# Altium PCB DE842170047.PcbDoc (continued)
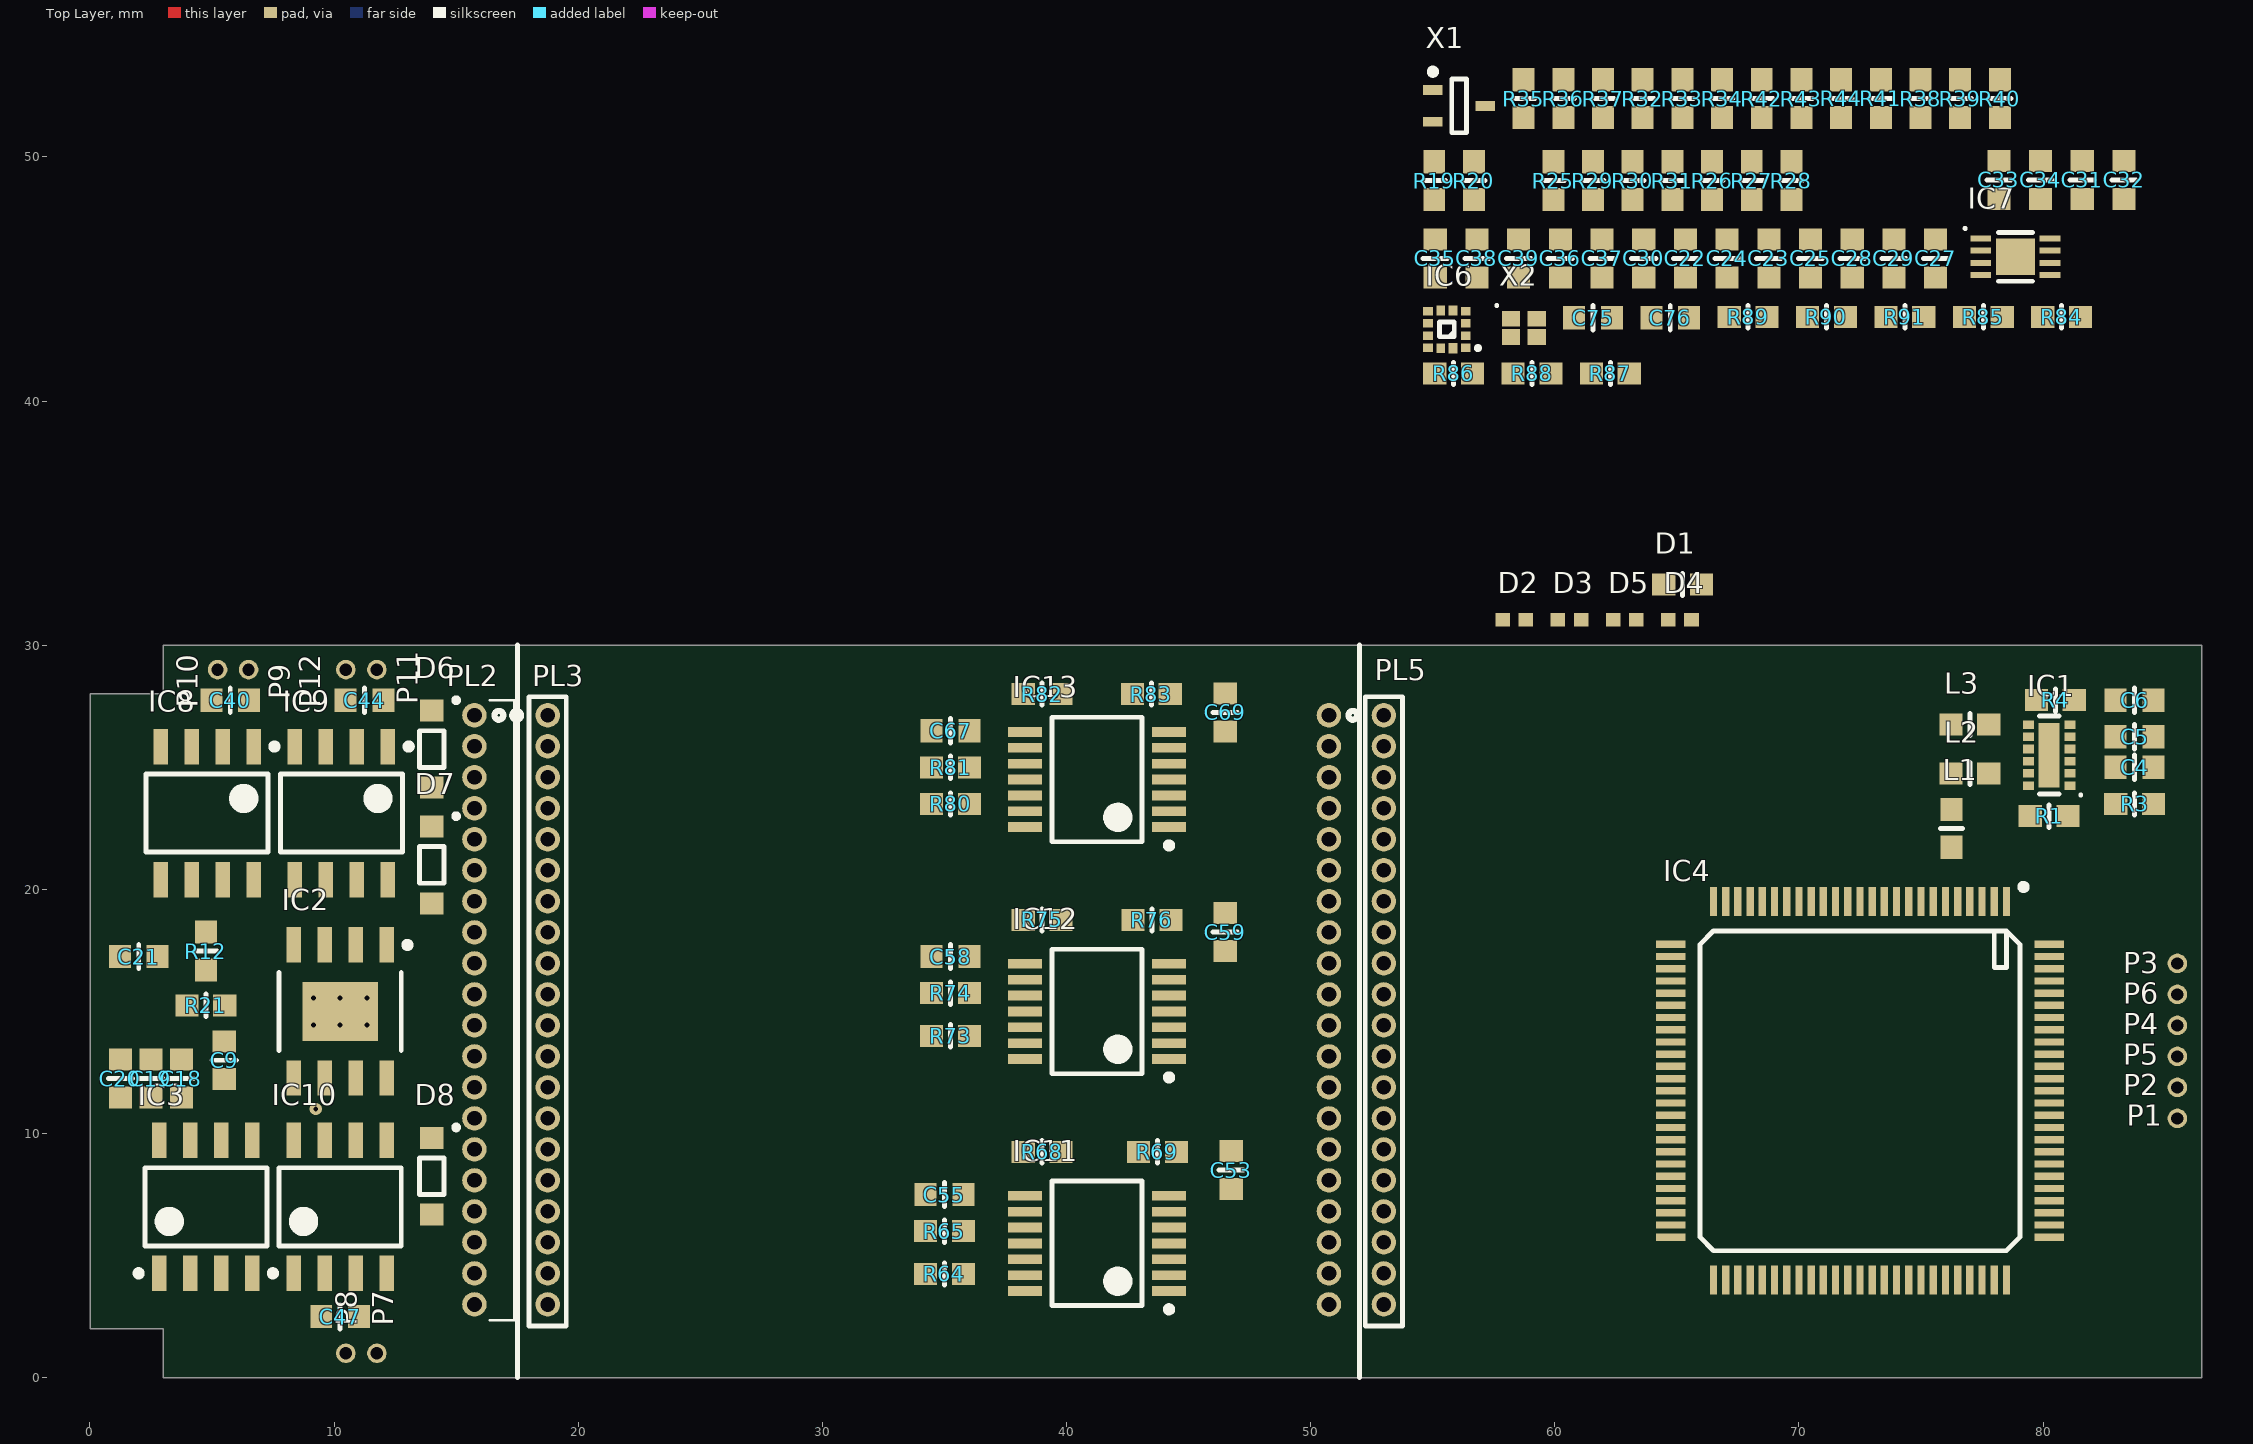
[diagram p0: Top Layer view]
## Components (designator, comment, footprint, x,y, rotation, side; value= is the part's Value field where it differs from the comment) (continued)
R24 "KK/96059/1369" R0603 2,18.75 r180 bottom value=51R
R25 "KK/96059/0000" R0603 59.94,49.032 r90 top value=0R0
R26 "KK/96059/0000" R0603 66.442,49.032 r90 top value=0R0
R27 "KK/96059/0000" R0603 68.068,49.032 r90 top value=0R0
R28 "KK/96059/0601" R0603 69.693,49.032 r90 top value=10K
R29 "KK/96059/0601" R0603 61.565,49.032 r90 top value=10K
R30 "KK/96059/0601" R0603 63.191,49.032 r90 top value=10K
R31 "KK/96059/0601" R0603 64.816,49.032 r90 top value=10K
R32 "KK/96059/1369" R0603 63.601,52.39 r90 top value=51R
R33 "KK/96059/1369" R0603 65.226,52.39 r90 top value=51R
R34 "KK/96059/0601" R0603 66.852,52.39 r90 top value=10K
R35 "KK/96059/0601" R0603 58.724,52.39 r90 top value=10K
R36 "KK/96059/0601" R0603 60.35,52.39 r90 top value=10K
R37 "KK/96059/0601" R0603 61.975,52.39 r90 top value=10K
R38 "KK/96059/1369" R0603 74.98,52.39 r90 top value=51R
R39 "KK/96059/1369" R0603 76.606,52.39 r90 top value=51R
R40 "KK/96059/0601" R0603 78.231,52.39 r90 top value=10K
R41 "KK/96059/0601" R0603 73.354,52.39 r90 top value=10K
R42 "KK/96059/0601" R0603 68.478,52.39 r90 top value=10K
R43 "KK/96059/0601" R0603 70.103,52.39 r90 top value=10K
R44 "KK/96059/0000" R0603 71.729,52.39 r90 top value=0R0
R45 "KK/96059/0000" R0603 6.8,20.9 r90 bottom value=0R0
R46 "KK/96059/0501" R0603 7.75,27 r270 bottom value=1K0
R47 "KK/96059/0501" R0603 4.25,26.975 r270 bottom value=1K0
R48 "KK/96059/0609" R0603 5.55,20.9 r270 bottom value=12K
R49 "KK/96059/0601" R0603 2.8,20.9 r270 bottom value=10K
R50 "KK/96059/0601" R0603 4.05,20.85 r270 bottom value=10K
R51 "KK/96059/0000" R0603 12.3,20.9 r90 bottom value=0R0
R52 "KK/96059/0501" R0603 12.75,27 r270 bottom value=1K0
R53 "KK/96059/0501" R0603 9.25,27 r270 bottom value=1K0
R54 "KK/96059/0647" R0603 11.05,20.875 r270 bottom value=30K
R55 "KK/96059/0601" R0603 8.3,20.875 r270 bottom value=10K
R56 "KK/96059/0601" R0603 9.8,20.875 r270 bottom value=10K
R57 "KK/96059/0000" R0603 8.25,9.25 r270 bottom value=0R0
R58 "KK/96059/0501" R0603 12,3.5 r90 bottom value=1K0
R59 "KK/96059/0501" R0603 9,3.475 r90 bottom value=1K0
R60 "KK/96059/4666" R0603 9.5,9.25 r270 bottom value=47K
R61 "KK/96059/0601" R0603 12.25,9.25 r90 bottom value=10K
R62 "KK/96059/0601" R0603 11,9.25 r90 bottom value=10K
R63 "KK/96059/0529" R0603 38.775,4.25 r180 bottom value=1K96
R64 "KK/96059/0507" R0603 35,4.25 r180 top value=1K15
R65 "KK/96059/0518" R0603 35,6 r0 top value=1K5
R66 "KK/96059/0519" R0603 43.775,3 r180 bottom value=1K56
R67 "KK/96059/0527" R0603 43.75,4.25 r0 bottom value=1K87
R68 "KK/96059/0478" R0603 39,9.25 r0 top value=634R
R69 "KK/96059/0485" R0603 43.725,9.25 r0 top value=750R
R70 "KK/96059/0519" R0603 43.75,13 r180 bottom value=1K56
R71 "KK/96059/0529" R0603 38.75,14 r180 bottom value=1K96
R72 "KK/96059/0527" R0603 43.775,14.25 r0 bottom value=1K87
R73 "KK/96059/0507" R0603 35.25,14 r180 top value=1K15
R74 "KK/96059/0518" R0603 35.25,15.75 r0 top value=1K5
R75 "KK/96059/0478" R0603 39,18.75 r0 top value=634R
R76 "KK/96059/0485" R0603 43.5,18.75 r0 top value=750R
R77 "KK/96059/0519" R0603 43.75,22.5 r180 bottom value=1K56
R78 "KK/96059/0529" R0603 38.725,23.5 r180 bottom value=1K96
R79 "KK/96059/0527" R0603 43.75,23.75 r0 bottom value=1K87
R80 "KK/96059/0507" R0603 35.25,23.5 r180 top value=1K15
R81 "KK/96059/0518" R0603 35.25,25 r0 top value=1K5
R82 "KK/96059/0478" R0603 39,28 r0 top value=634R
R83 "KK/96059/0485" R0603 43.475,28 r0 top value=750R
R84 "KK/96059/0601" R0603 80.762,43.453 r180 top value=10K
R85 "KK/96059/0601" R0603 77.551,43.453 r180 top value=10K
R86 "KK/96059/0601" R0603 55.856,41.131 r180 top value=10K
R87 "KK/96059/0601" R0603 62.278,41.131 r180 top value=10K
R88 "KK/96059/0601" R0603 59.067,41.131 r180 top value=10K
R89 "KK/96059/0601" R0603 67.917,43.453 r180 top value=10K
R90 "KK/96059/0601" R0603 71.128,43.453 r180 top value=10K
R91 "KK/96059/0601" R0603 74.34,43.453 r180 top value=10K
R92 "KK/96059/0601" R0603 83.75,24.75 r180 bottom value=10K
X1 "OSCILLATOR_3PIN" SC70-3 56.081,52.092 r0 top value=8MHz
X2 "KK/95710/0071" SMD_1.6X1.2 58.734,42.999 r0 top value=50MHz

## Footprints (in the part's own frame and the unit in brackets; to place one, negate y for a bottom-side part, rotate by r counter-clockwise, add the part's x,y. Pads: shape width x height; smd on the part's side, far side on the other; paste and mask are expansions set on the pad)
53307-1471 [mm]
  rect 0.55x1.8 smd: 1(2.4,2.15) 2(2.4,-2.15) 3(1.6,2.15) 4(1.6,-2.15) 5(0.8,2.15) 6(0.8,-2.15) 7(0,2.15) 8(0,-2.15) 9(-0.8,2.15) 10(-0.8,-2.15) 11(-1.6,2.15) 12(-1.6,-2.15) 13(-2.4,2.15) 14(-2.4,-2.15)
  silkscreen extent -3.7,-2.05 3.7,3.5, body extent -3.7,-2.55 3.7,2.55, height 3.6
C0603 [mm] "C0603"
  rect 0.9x0.95 smd: 1(-0.775,0) 2(0.775,0)
  silkscreen extent 0,-0.5 0,0.5, body extent -0.87,-0.48 0.87,0.48, height 0.87
C0805 [mm]
  rect 1.25x1.4 smd: 1(-0.825,0) 2(0.825,0)
  body extent -1.05,-0.67 1.05,0.67, height 1.45
DFN-8 [mm] "DFN-8"
  rect 0.85x0.25 smd: 1(-1.42,0.75) 2(-1.42,0.25) 3(-1.42,-0.25) 4(-1.42,-0.75) 5(1.42,-0.75) 6(1.42,-0.25) 7(1.42,0.25) 8(1.42,0.75)
  rect 1.6x1.5 smd: 9(0,0)
  silkscreen extent -2.11,-1 0.7,1.21, body extent -1.55,-1 1.55,1, height 1
ESD0402 [mm]
  rect 0.6x0.55 smd: 1(-0.475,0) 2(0.475,0)
  body extent -0.55,-0.27 0.55,0.28, height 0.4
L0603 [mm]
  rect 0.95x0.9 smd: 1(-0.775,0) 2(0.775,0)
  silkscreen extent 0,-0.46 0,0.46, body extent -0.8,-0.4 0.8,0.4, height 1
LGA-12 [mm] "LGA-12"
  rect 0.4x0.35 smd: 1(-0.775,0.75) 2(-0.775,0.25) 3(-0.775,-0.25) 4(-0.775,-0.75) 7(0.775,-0.75) 8(0.775,-0.25) 9(0.775,0.25) 10(0.775,0.75)
  rect 0.35x0.4 smd: 5(-0.25,-0.775) 6(0.25,-0.775) 11(0.25,0.775)
  rect 0.35x0.425 smd: 12(-0.25,0.775)
  silkscreen extent -1.31,-0.3 0.3,0.8, body extent -1,-1 1,1, height 1.1
LQFP-100 [mm] "LQFP-100"
  rect 1.2x0.3 smd: 1(-7.75,6) 2(-7.75,5.5) 3(-7.75,5) 4(-7.75,4.5) 5(-7.75,4) 6(-7.75,3.5) 7(-7.75,3) 8(-7.75,2.5) 9(-7.75,2) 10(-7.75,1.5) 11(-7.75,1) 12(-7.75,0.5) 13(-7.75,0) 14(-7.75,-0.5) 15(-7.75,-1) 16(-7.75,-1.5) 17(-7.75,-2) 18(-7.75,-2.5) 19(-7.75,-3) 20(-7.75,-3.5) 21(-7.75,-4) 22(-7.75,-4.5) 23(-7.75,-5) 24(-7.75,-5.5) 25(-7.75,-6) 51(7.75,-6) 52(7.75,-5.5) 53(7.75,-5) 54(7.75,-4.5) 55(7.75,-4) 56(7.75,-3.5) 57(7.75,-3) 58(7.75,-2.5) 59(7.75,-2) 60(7.75,-1.5) 61(7.75,-1) 62(7.75,-0.5) 63(7.75,0) 64(7.75,0.5) 65(7.75,1) 66(7.75,1.5) 67(7.75,2) 68(7.75,2.5) 69(7.75,3) 70(7.75,3.5) 71(7.75,4) 72(7.75,4.5) 73(7.75,5) 74(7.75,5.5) 75(7.75,6)
  rect 0.3x1.2 smd: 26(-6,-7.75) 27(-5.5,-7.75) 28(-5,-7.75) 29(-4.5,-7.75) 30(-4,-7.75) 31(-3.5,-7.75) 32(-3,-7.75) 33(-2.5,-7.75) 34(-2,-7.75) 35(-1.5,-7.75) 36(-1,-7.75) 37(-0.5,-7.75) 38(0,-7.75) 39(0.5,-7.75) 40(1,-7.75) 41(1.5,-7.75) 42(2,-7.75) 43(2.5,-7.75) 44(3,-7.75) 45(3.5,-7.75) 46(4,-7.75) 47(4.5,-7.75) 48(5,-7.75) 49(5.5,-7.75) 50(6,-7.75) 76(6,7.75) 77(5.5,7.75) 78(5,7.75) 79(4.5,7.75) 80(4,7.75) 81(3.5,7.75) 82(3,7.75) 83(2.5,7.75) 84(2,7.75) 85(1.5,7.75) 86(1,7.75) 87(0.5,7.75) 88(0,7.75) 89(-0.5,7.75) 90(-1,7.75) 91(-1.5,7.75) 92(-2,7.75) 93(-2.5,7.75) 94(-3,7.75) 95(-3.5,7.75) 96(-4,7.75) 97(-4.5,7.75) 98(-5,7.75) 99(-5.5,7.75) 100(-6,7.75)
  silkscreen extent -8.47,-6.55 6.55,6.83, body extent -8,-7.96 8,8.04, height 1.6
M50-3532042 [mm]
  round 1 hole 0.6: 1(0,0) 2(1.27,0) 3(2.54,0) 4(3.81,0) 5(5.08,0) 6(6.35,0) 7(7.62,0) 8(8.89,0) 9(10.16,0) 10(11.43,0) 11(12.7,0) 12(13.97,0) 13(15.24,0) 14(16.51,0) 15(17.78,0) 16(19.05,0) 17(20.32,0) 18(21.59,0) 19(22.86,0) 20(24.13,0)
  silkscreen extent -0.76,-1.45 25.02,0.76, body extent -0.64,-1.05 24.77,1.05, height 4
M50-3932042 [mm]
  round 1 hole 0.6: 1(0,0) 2(1.27,0) 3(2.54,0) 4(3.81,0) 5(5.08,0) 6(6.35,0) 7(7.62,0) 8(8.89,0) 9(10.16,0) 10(11.43,0) 11(12.7,0) 12(13.97,0) 13(15.24,0) 14(16.51,0) 15(17.78,0) 16(19.05,0) 17(20.32,0) 18(21.59,0) 19(22.86,0) 20(24.13,0)
  silkscreen extent -0.62,0.63 24.78,1.63, body extent -0.63,-0.23 24.77,5.48, height 2.1
P0.8xH0.5 [mm]
  round 0.8 hole 0.5: 1(0,0)
R0603 [mm]
  rect 0.95x0.9 smd: 1(-0.775,0) 2(0.775,0)
  silkscreen extent 0,-0.46 0,0.46, body extent -0.9,-0.45 0.9,0.45, height 0.55
R2512 [mm] "R2512"
  rect 1.25x3.4 smd: 1(-2.975,0) 2(2.975,0)
  silkscreen extent -1.95,-1.6 1.95,1.6, body extent -3.25,-1.7 3.28,1.7, height 0.8
SC70-3 [mm]
  rect 0.8x0.4 smd: 1(-1.075,0.65) 2(-1.075,-0.65) 3(1.075,0)
  silkscreen extent -1.2,-1.1 0.3,1.52, body extent -1.05,-1 1.05,1, height 1.1
SMD_1.6X1.2 [mm] "SMD_1.6X1.2"
  rect 0.75x0.65 smd: 1(-0.525,-0.375) 2(0.525,-0.375) 3(0.525,0.375) 4(-0.525,0.375)
  silkscreen extent -1.16,0.86 -1.06,0.96, body extent -0.85,-0.65 0.85,0.65, height 0.3
SOD-123 [mm] "SOD--123"
  rect 0.9x0.95 smd: 1(-1.575,0) 2(1.575,0)
  silkscreen extent -2.1,-0.5 0.75,1.1, body extent -1.85,-0.77 1.85,0.78, height 1.45
SOIC-8 [mm] "SOIC-8"
  rect 1.45x0.6 smd: 1(-2.725,1.905) 2(-2.725,0.635) 3(-2.725,-0.635) 4(-2.725,-1.905) 5(2.725,-1.905) 6(2.725,-0.635) 7(2.725,0.635) 8(2.725,1.905)
  silkscreen extent -2.85,-2.5 1.6,2.88, body extent -3,-2.45 3,2.45, height 1.75
SOIC-8_EP [mm] "SOIC-8_EP"
  rect 1.45x0.6 smd: 1(-2.725,1.905) 2(-2.725,0.635) 3(-2.725,-0.635) 4(-2.725,-1.905) 5(2.725,-1.905) 6(2.725,-0.635) 7(2.725,0.635) 8(2.725,1.905)
  rect 2.41x3.1 smd: 9(0,0)
  silkscreen extent -2.85,-2.5 1.6,2.88, body extent -3,-2.45 3,2.45, height 1.75
TSSOP-14 [mm] "TSSOP-14"
  rect 1.4x0.4 smd: 1(-2.95,1.95) 2(-2.95,1.3) 3(-2.95,0.65) 4(-2.95,0) 5(-2.95,-0.65) 6(-2.95,-1.3) 7(-2.95,-1.95) 8(2.95,-1.95) 9(2.95,-1.3) 10(2.95,-0.65) 11(2.95,0) 12(2.95,0.65) 13(2.95,1.3) 14(2.95,1.95)
  silkscreen extent -3.08,-2.55 1.85,2.82, body extent -3.2,-2.55 3.2,2.55, height 1.2
WSON-12 [mm] "WSON-12"
  rect 0.45x0.35 smd: 1(-0.855,1.25) 2(-0.855,0.75) 3(-0.855,0.25) 4(-0.855,-0.25) 5(-0.855,-0.75) 6(-0.855,-1.25) 7(0.855,-1.25) 8(0.855,-0.75) 9(0.855,-0.25) 10(0.855,0.25) 11(0.855,0.75) 12(0.855,1.25)
  rect 0.86x2.65 smd: 13(0,0)
  silkscreen extent -1.34,-1.6 0.4,1.69, body extent -1.05,-1.5 1.05,1.5, height 0.8

## Part data
C1 C13 C37: "CAPACITOR_4u7F_10%_10V_0603", Tolerance=10%, Voltage=10V, ID=165, PII_PartNumber=KK/96159/2666, Pins=2
C2 C6 C10 C29 C30 C77 C78: "CAPACITOR CERAMIC 0603 16V 10% X5R 2u2", Tolerance=10%, Voltage=16V, ID=569, PII_PartNumber=KK/96159/3634, Pins=2
C3 C5: "CAPACITOR_1uF_+10%_10V_603", Tolerance=10%, Voltage=10V, ID=164, PII_PartNumber=KK/96159/2601, Pins=2
C4 C18 C22: "CAPACITOR_10uF_10%_10V_0603", Tolerance=10%, Voltage=10V, ID=175, PII_PartNumber=KK/96159/3701, Pins=2
C7 C12 C15 C17 C19 C20 C21 C25 C27 C28 C31 C32 C33 C34 C35 C36 C38 C39 C49 C57 C60 C65 C68 C74: "CAPACITOR_100nF_+10%_25V_603", Tolerance=10%, Voltage=25V, ID=185, PII_PartNumber=KK/96159/4501, Pins=2
C8: "CAPACITOR_22uF_20%_6V3_0805", Temperature="-55 +125C", Tolerance=20%, Voltage=6V3, ID=246, PII_PartNumber=KK/96160/0734, Pins=2
C9 C11 C51 C52 C54 C56 C61 C62 C63 C64 C70 C71 C72 C73: "CAPACITOR CERAMIC 0603 50V 10% X7R 10nF", Tolerance=10%, Voltage=50V, ID=571, PII_PartNumber=KK/96159/0401, Pins=2
C14 C75 C76: "CAPACITOR CER 0603 270pF 10% 50V X5R", Tolerance=10%, Voltage=50V, ID=577, PII_PartNumber=KK/96159/0243, Pins=2
C16: "CAPACITOR CER 0603 1n8F 10% 10V X5R", Tolerance=10%, Voltage=10V, ID=576, PII_PartNumber=KK/96159/0325, Pins=2
C23 C24: "CAPACITOR CERAMIC 0603 50V 5% NPO 8pF", Tolerance=5%, Voltage=50V, ID=570, PII_PartNumber=KK/96159/0088, Pins=2
C26 C50 C66: "CAPACITOR CER 0603 11n5F 10% 25V X5R", Tolerance=10%, Voltage=25V, ID=574, PII_PartNumber=KK/96159/0407, Pins=2
C40 C44 C47: "CAPACITOR CERAMIC 0603 25V 10% X7R 22nF", Tolerance=10%, Voltage=25V, ID=572, PII_PartNumber=KK/96159/3434, Pins=2
C41 C42 C43 C45 C46 C48: "CAPACITOR_2.2nF_10%_25V_603", Tolerance=10%, Voltage=25V, ID=182, PII_PartNumber=KK/96159/4334, Pins=2
C53 C59 C69: "CAPACITOR CER 0603 51n1F 10% 25V X5R", Tolerance=10%, Voltage=25V, ID=573, PII_PartNumber=KK/96159/0469, Pins=2
C55 C58 C67: "CAPACITOR CER 0603 17n8F 10% 25V X5R", Tolerance=10%, Voltage=25V, ID=575, PII_PartNumber=KK/96159/0425, Pins=2
D1: "TVS,SMD,LITTLEFUSE,V26MLA0603N[20-26V]", Manufacturer=LITTLEFUSE, MF_PartNumber=V26MLA0603N, Temperature="-55°C +125°C", Voltage=26V, ID=261, PII_PartNumber=KK/95070/0035, Pins=2
D2 D3 D4 D5 D9 D10 D11 D12: "SUPPRESSOR ESD,SMD,0402,12VDC,LIF,PGB1010402", Manufacturer=LITTELFUSE, MF_PartNumber=PGB1010402, Voltage=12V, ID=262, PII_PartNumber=KK/95070/0036, Pins=2
D6 D7 D8: "DIODE SWITCHING POWER", Manufacturer=DIODES, MF_PartNumber=1N4148W-7-F, Power=2A, Temperature="-65 to +150C", Voltage=100V, ID=362, PII_PartNumber=KK/95048/0189, Pins=2
IC1: "SWITCHING REGULATOR", Manufacturer="TEXAS INSTRUMENTS", Manufacturer Part Number=LM27762DSSR, Max Input Voltage=5.5V, Max Operating Temperature=85°C, Max Output Voltage=5V, Min Input Voltage=2.7V, Min Operating Temperature=-40°C, Min Output Voltage=1.5V, Output Current=250mA, Quiescent Current=390uA, Switching Frequency=2.3MHz, Temperature="-40 to +85C", Voltage=2.7-5.5V, ID=104, Lead Free="Lead Free", MF_PartNumber=LM27762DSSR, Mount="Surface Mount", Output Type=Adjustable, Packaging="Tape and Reel", PII_PartNumber=KK/95311/0117, Pins=12, Power=250mA, RoHS Compliant=Yes, Synchronous Rectifier=No, Topology="Charge Pump"
IC2: "DUAL BIPOLAR OPERATIONAL AMPLIFIER", Manufacturer=STMICROELECTRONICS, MF_PartNumber=TS982IDWT, Package=None, Temperature="-40 to +125C", Voltage=5.5V, Availability=Unavailable, ID=108, MP=TS982IDWT, PII_PartNumber=KK/95312/0246, Pins=8, Price=None
IC3: "DUAL RAIL to RAIL OP AMP", Amplifiers Per Package=2, Generic Part Number=AD8572, Input Bias Current=10pA, Input Offset Voltage=1uV, Manufacturer="Analog Devices", Manufacturer Part Number=AD8572ARZ, Temperature="-40 to +125C", Voltage=5V, Code_JEDEC=MS-012-AA, ComponentLink1Description="Manufacturer URL", ComponentLink1URL=http://www.analog.com/en/index.html, ComponentLink2Description=Datasheet, ComponentLink2URL=http://www.analog.com/static/imported-files/data_sheets/AD8571_8572_8574.pdf, ComponentLink3Description="Package Specification", ComponentLink3URL=http://www.analog.com/static/imported-files/packages/PKG_PDF/SOIC_Narrow%20(R)/R_8.pdf, DatasheetVersion="Rev. E", ID=106, Iq/Amp=975uA, MF_PartNumber=AD8572ARZ, Mounting Technology="Surface Mount", PackageDescription="8-Pin Standard Small Outline Package, Body 3.9 x 4.9 mm, Pitch 1.27 mm", PackageReference=R-8, PackageVersion=060506-A, PartNumber=AD8572ARZ, PII_PartNumber=KK/95312/0244, Pins=8, Slew Rate=400mV/us, Small Signal Bandwidth=1.5MHz, V Span Max=6V, V Span Min=2.7V
IC4: "MICROCONTROLLER MCU", I/Os (High Current)=82, Manufacturer=STMICROELECTRONICS, Manufacturer Part Number=STM32F756VGT6, Operating Frequency(F) (Processor speed) (MHz)=216, Package Description="100-Pin Low Profile Quad Flat Package, Body 14 x 14 mm, Pitch 0.5 mm", Package Reference=LQFP100, Supply Voltage(Vcc) min (V)=1.7, Temperature="-40 to +85C", Voltage=1.7-3.6V, ComponentLink1Description="Manufacturer URL", ComponentLink1URL=http://www.st.com/, ComponentLink2Description=Datasheet, ComponentLink2URL=http://www.st.com/st-web-ui/static/active/en/resource/technical/document/datasheet/DM00166114.pdf, Core="ARM Cortex-M7", D/A Converter=2, DatasheetVersion="Rev. 4", FLASH Size (Prog) (kB)=1024, ID=81, Internal RAM Size (kB)=320, MF_PartNumber=STM32F756VGT6, Mounting Technology="Surface Mount", Packing=Tray, PII_PartNumber=KK/95414/0147, Pins=100
IC5: "3 AXIS MAGNETIC SENSOR", Manufacturer=STMicroelectronics, Manufacturer Part Number=LIS3MDLTR, Max Supply Voltage=3.6V, Min Supply Voltage=1.71V, Operating Supply Current=40-270uA, Package=VFLGA-12-8365767, Temperature="-40 to +85C", Temperature Range High=+85°C, Temperature Range Low=-40°C, Voltage="1.9 - 3.6V", Automotive=No, Category=IC, ComponentLink2Description=Datasheet, ComponentLink2URL=https://www.st.com/resource/en/datasheet/lis3mdl.pdf, Device Class L1=Sensors, Device Class L2="Magnetic Sensors", Device Class L3=unset, Digikey Description="SENSOR MR I2C/SPI 12LGA", Footprint Url=https://www.st.com/content/ccc/resource/technical/document/technical_note/73/17/9c/16/dd/96/4a/01/CD00134799.pdf/files/CD00134799.pdf/jcr:content/translations/en.CD00134799.pdf, Height=1mm, ID=103, Lead Free=Yes, MF_PartNumber=LIS3MDLTR, Mouser Description="Board Mount Hall Effect / Magnetic Sensors Ultra Lo-Pwr Hi Perf 3-Axis 1.9-3.6V", Octopart=https://octopart.com/lis3mdltr-stmicroelectronics-29403125, PII_PartNumber=KK/95312/0195, Pins=12, RoHS=TRUE, Sensing Method=Magnetic, Sensor Output=I2C,SPI
IC6: "3 AXIS DIGITAL ACCELEROMETER 14BIT", Manufacturer=STMicroelectronics, Max Supply Voltage=3.6V, MF_PartNumber=AIS2IHTR, Min Supply Voltage=1.62V, Operating Supply Current=0.67-110uA, Package=VFLGA-12-8365767, Temperature="-40 to +115C", Temperature Range High=+85°C, Temperature Range Low=-40°C, Voltage="1.62 - 3.6V", Automotive=YES, Category=IC, ComponentLink2Description=Datasheet, ComponentLink2URL=https://www.st.com/resource/en/datasheet/lis3mdl.pdf, Device Class L1=Sensors, Device Class L2="Magnetic Sensors", Device Class L3=unset, Digikey Description="SENSOR MR I2C/SPI 12LGA", Footprint Url=https://www.st.com/content/ccc/resource/technical/document/technical_note/73/17/9c/16/dd/96/4a/01/CD00134799.pdf/files/CD00134799.pdf/jcr:content/translations/en.CD00134799.pdf, Height=1mm, ID=102, Lead Free=Yes, Mouser Description="Board Mount Hall Effect / Magnetic Sensors Ultra Lo-Pwr Hi Perf 3-Axis 1.9-3.6V", Octopart=https://www.mouser.co.uk/datasheet/2/389/dm00462829-2042226.pdf, PII_PartNumber=KK/95312/0196, Pins=12, RoHS=TRUE, Sensing Method=X,Y,Z, Sensor Output=I2C,SPI
IC7: "64K I2C SERIAL EEPROM", Manufacturer=MICROCHIP, Manufacturer Part Number=24AA64T-I/MC, Temperature="-40 +85C", DatasheetVersion="revQ, Jun-2009", ID=43, MF_PartNumber=24AA64T-I/MC, PackageDescription="8-Lead Plastic Dual Flat, No Lead Package (MC) - 2x3x0.9mm Body [DFN]", PackageReference=DFN-MC8, PackageVersion="revBB, Aug-2009", PII_PartNumber=KK/95413/0138, Pins=9
IC8 IC9 IC10: "SINGLE RAIL to RAIL INSTRUMENTATION AMPLIFIER", Current - Input Bias=17nA, Current - Output / Channel=-, Current - Supply=375µA, Manufacturer="Analog Devices", Manufacturer Part Number=AD623ARZ, Operating Temperature=-40degC~85degC, Package / Case="8-SOIC(0.154\",3.90mmWidth)", Standard Package=98, Supplier Device Package=8-SOIC, Temperature="-40 to + 85C", Voltage="2.7V to 12V", Voltage - Input Offset=25µV, Voltage - Supply, Single/Dual (±)=2.7V~12V,±2.5V~6V, -3db Bandwidth=800kHz, Amplifier Type=Instrumentation, Category=IntegratedCircuits(ICs), Datasheet URL=https://datasheet.ciiva.com/20167/82-1224-20167284.pdf, Datasheet Version="Rev. D, 07/2008", EDA / CAD Models=DownloadfromAcceleratedDesigns, Family=Linear-Amplifiers-Instrumentation,OPAmps,BufferAmps, Gain Bandwidth Product=-, ID=107, Manufacturer URL=http://www.analog.com/, MF_PartNumber=AD623ARZ, Mfg Application Notes=Electrocardiogram(ECG)Solutions, Mounting Type=SurfaceMount, Number of Circuits=1, Online Catalog=Instrumentation, Output Type=Rail-to-Rail, Packaging=Tube, PCN Design/Specification=AD623PolymideThickness02/Oct/2013AD623PolymideThickness15/Oct/2013, PII_PartNumber=KK/95312/0245, Pins=8, Product Training Modules=InstrumentationAmplifiersPerformanceCommonPhotodiodeOp-AmpCircuitProblemsandSolutionsIndirectCurrentFeedbackInstrumentationAmplifierApplicationsGuide, Series=-, Slew Rate=0.3V/µs
IC11 IC12 IC13: library part KK/95300/0171, "IC,QUAD OP.AMP,TSSOP-14,ST,LM2902KPWR", Manufacturer=ROHM, MF_PartNumber=LM2902KPWR, Temperature="-40 +125C", Voltage="3V to 32V", ID=111, PII_PartNumber=KK/95300/0171, Pins=14
L1 L2 L3: "FERRIT BEADS 0603 600R 0.5A 25%", Manufacturer=WUERTH, MF_PartNumber=742863160, Power=0.5A, Temperature="-55 to +125C", Tolerance=25%, ID=158, PII_PartNumber=KK/97900/1033, Pins=2
P1 P2 P3 P4 P5 P6 P7 P8 P9 P10 P11 P12: "P0.8 X H0.5 X 0.9SM", Manufacturer="PCB MANUFACTURER", ID=26, MF_PartNumber="P0.8 X H0.5 X 0.9SM", PII_PartNumber=TESTPAD1, Pins=1
PL1: "PLUG HEADER 2x7WAY STRAIGHT MOLEX", Manufacturer=MOLEX, MF_PartNumber=53307-1471, ID=883, PII_PartNumber=KK/96510/1748, Pins=14
PL2: "PLUG 20WAY RIGHT ANGLE PTH HARWIN", Manufacturer=HARWIN, MF_PartNumber=M50-3932042, ID=882, PII_PartNumber=KK/96510/2206, Pins=5
PL3 PL4 PL5: "PLUG,20WAY,STRAIGHT,PITCH 1.27MM,HWN,M50-3532042", Manufacturer=HARWIN, MF_PartNumber=M50-3532042, ID=885, PII_PartNumber=KK/96510/2208, Pins=20
R1: "RESISTOR 0603 0.063W 0.1% 178K", Power=0.063W, Tolerance=0.1%, ID=1402, PII_PartNumber=KK/96059/0725, Pins=2
R2 R5 R17 R18 R19 R20 R21 R22 R28 R29 R30 R31 R34 R35 R36 R37 R40 R41 R42 R43 R49 R50 R55 R56 R61 R62 R84 R85 R86 R87 R88 R89 R90 R91 R92: "RESISTOR_10K_1%_0603J_63mW", Power=63mW, Tolerance=1%, ID=1090, PII_PartNumber=KK/96059/0601, Pins=2
R3: "RESISTOR_100K_1%_0603J_63mW", Power=63mW, Tolerance=1%, ID=1111, PII_PartNumber=KK/96059/0701, Pins=2
R4: "RESISTOR 0603 0.063W 1% 91K", Power=0.063W, Tolerance=1%, ID=1396, PII_PartNumber=KK/96059/1693, Pins=2
R6: "RESISTOR_158K_1%_0603J_63mW", Power=63mW, Tolerance=1%, ID=1118, PII_PartNumber=KK/96059/0720, Pins=2
R7: "RESISTOR_2K_1%_0603J_63m2", Power=63mW, Tolerance=1%, ID=1077, PII_PartNumber=KK/96059/0530, Pins=2
R8 R25 R26 R27 R44 R45 R51 R57: "ZERO OHM LINK", Power=63mW, ID=7, PII_PartNumber=KK/96059/0000, Pins=2
R9 R10 R12 R15 R46 R47 R52 R53 R58 R59: "RESISTOR_1K0_1%_0603J_63mW", Power=0.1W, Tolerance=1%, ID=1072, PII_PartNumber=KK/96059/0501, Pins=2
R11: "RESISTOR 2R 2512 1% 1W", Power=1W, Tolerance=1%, ID=1382, PII_PartNumber=KK/96090/0230, Pins=2
R13: "RESISTOR 0603 0.063W 1% 6K8", Power=0.063W, Tolerance=1%, ID=1403, PII_PartNumber=KK/96059/0581, Pins=2
R14: "RESISTOR_68K_1%_0603J_63mW", Power=63mW, Tolerance=1%, ID=1107, PII_PartNumber=KK/96059/0681, Pins=2
R16: "RESISTOR 0603 0.063W 1% 27K", Power=0.063W, Tolerance=1%, ID=1404, PII_PartNumber=KK/96059/0643, Pins=2
R23 R24 R32 R33 R38 R39: "RESISTOR_51R_1%_0603J_63mW", Power=63mW, Temp_Coeff=100ppm, Tolerance=1%, ID=1148, PII_PartNumber=KK/96059/1369, Pins=2
R48: "RESISTOR 0603 0.063W 1% 12K", Power=0.063W, Tolerance=1%, ID=1405, PII_PartNumber=KK/96059/0609, Pins=2
R54: "RESISTOR_30K_1%_0603_63mW", Power=63mW, Tolerance=1%, ID=1098, PII_PartNumber=KK/96059/0647, Pins=2
R60: "RESISTOR,SMD,0603,0.1W,1%,47K", Power=0.1W, Tolerance=1%, ID=1407, PII_PartNumber=KK/96059/4666, Pins=2
R63 R71 R78: "RESISTOR 0603 0.063W 1% 1K96", Power=0.063W, Tolerance=1%, ID=1395, PII_PartNumber=KK/96059/0529, Pins=2
R64 R73 R80: "RESISTOR 0603 0.063W 1% 1K15", Power=0.063W, Tolerance=1%, ID=1399, PII_PartNumber=KK/96059/0507, Pins=2
R65 R74 R81: "RESISTOR 0603 0.1W 1% 1K5", Power=0.063W, Tolerance=1%, ID=1406, PII_PartNumber=KK/96059/0518, Pins=2
R66 R70 R77: "RESISTOR 0603 0.063W 1% 1K56", Power=0.063W, Tolerance=1%, ID=1398, PII_PartNumber=KK/96059/0519, Pins=2
R67 R72 R79: "RESISTOR 0603 0.063W 1% 1K87", Power=0.063W, Tolerance=1%, ID=1397, PII_PartNumber=KK/96059/0527, Pins=2
R68 R75 R82: "RESISTOR 0603 0.063W 1% 634R", Power=0.063W, Tolerance=1%, ID=1401, PII_PartNumber=KK/96059/0478, Pins=2
R69 R76 R83: "RESISTOR 0603 0.063W 1% 750R", Power=0.063W, Tolerance=1%, ID=1400, PII_PartNumber=KK/96059/0485, Pins=2
X1: library part KK/95710/0303, "OSCILLATOR,SMD,CMOS,MAXIM,MAX7375AXR805+T", Manufacturer=MAXIM, MF_PartNumber=MAX7375AXR805+T, Temp_Coeff=50PPM, Temperature="-40 +125C", Voltage=2.7-5.5V, ID=62, PII_PartNumber=KK/95710/0303, Pins=3
X2: "CRYSTAL SMD 50MHz 8pF", Case/Package=SMD/SMT, ESR (Equivalent Series Resistance)=80R, Frequency Stability=15ppm, Frequency Tolerance=10ppm, Load Capacitance=8pF, Manufacturer=NDK, Manufacturer Part Number=NX1612SA-50M-EXS00A-CS08403, Max Operating Temperature=85°C, Min Operating Temperature=-30°C, Temperature="-30 to +85C", ID=61, MF_PartNumber=NX1612SA-50M-EXS00A-CS08403, Mount="Surface Mount", Packaging="Cut Tape", PII_PartNumber=KK/95710/0071, Pins=4, Voltage=8pF

## Via types
v1: diameter 0.5, hole 0.2, Top Layer to Bottom Layer, 7 vias

## Nets (pads, with @x,y where several pads share a name; then routed paths per layer and width w, separated by ;. In a path a pad name is that pad's centre, name@x,y a point inside that pad or via, vN(x,y) a via of type N, cw(c..) or ccw(c..) an arc to the next point about the centre after c; other vN are vias at no path point)
ACC_CS: IC4.91 IC6.2
ACC_INT1: IC4.95 IC6.11
ACC_INT2: IC4.96 IC6.12
AGND: C7.2 C8.1 C12.2 C13.2 C14.2 C15.2 C17.2 C38.2 C39.2 C41.2 C42.2 C43.2 C45.2 C46.2 C48.2 C51.2 C52.2 C54.2 C56.2 C61.2 C62.2 C63.2 C64.2 C70.2 C71.2 C72.2 C73.2 D6.1 D7.1 D8.1 D9.1 D10.1 D11.1 D12.1 IC3.5 IC4.19 PL2.5 PL3.5 PL4.5 PL5.5 R18.1 R44.2 R49.1 R55.1 R61.1
CC_IN: IC3.7 R8.2 R17.2
DAC_OP: IC4.28 PL2.19 PL3.19 PL4.19 PL5.19 R13.1
DR_CFB: IC2.5 P8.1 R11.2 R59.1
DR_OP: C9.2 IC2.1 R11.1 R15.1 R58.1
DR_SNS: D8.2 IC10.6 PL2.18 PL3.18 R67.1
DR_SNS_FILT: C53.1 IC4.15 IC11.6 IC11.7 PL4.18 PL5.18
DR_SNS_VOFF: IC4.22 IC10.5 PL2.6 PL3.6 PL4.6 PL5.6 R61.2 R62.2
GND: C1.2 C2.2 C4.2 C5.2 C6.1 C18.2 C19.2 C20.2 C21.2 C22.2 C23.2 C24.1 C25.2 C27.2 C28.2 C29.2 C30.2 C31.2 C32.2 C33.2 C34.2 C35.2 C36.2 C37.2 C49.2 C60.2 C68.2 C75.2 C76.2 C77.2 C78.1 D1.1 D2.1 D3.1 D4.1 D5.1 IC1.4 IC1.13 IC4.10 IC4.26 IC4.49 IC4.74 IC4.99 IC5.2 IC5.3 IC5.12 IC6.6 IC6.7 IC6.8 IC7.4 IC7.9 P3.1 PL1.13 PL1.14 PL2.17 PL3.17 PL4.17 PL5.17 R3.2 R4.2 R5.2 R29.1 R40.2 R41.2 R42.2 R43.2 R44.1 R88.2 R89.2 R90.2 R91.2 R92.1 X1.3 X2.2 X2.4
HALL_CS: IC4.68 IC5.10 PL2.13 PL3.13 PL4.13 PL5.13
HALL_DRDY: IC4.69 IC5.8 PL2.14 PL3.14 PL4.14 PL5.14
HALL_INT: IC4.70 IC5.7 PL2.15 PL3.15 PL4.15 PL5.15
I2C1_SCL: IC4.92 R19.1 R38.1
I2C1_SDA: IC4.93 R20.1 R39.1
I2C2_SCL: IC4.46 PL2.11 PL3.11 PL4.11 PL5.11 R21.1 R23.1
I2C2_SDA: IC4.47 PL2.12 PL3.12 PL4.12 PL5.12 R22.1 R24.1
I2C3_SCL: IC4.66 R30.1 R32.1
I2C3_SDA: IC4.67 R31.1 R33.1
JTCK: IC4.76 PL1.5
JTDI: IC4.77 PL1.7
JTDO: IC4.89 PL1.9
JTMS: IC4.72 PL1.3
JTRST: IC4.90 PL1.11
LE_SNS: D6.2 IC8.6 PL2.8 PL3.8 R79.1
LE_SNS_FILT: C69.1 IC4.17 IC13.6 IC13.7 PL4.8 PL5.8
LE_SNS_VOFF: IC4.24 IC8.5 PL2.7 PL3.7 PL4.7 PL5.7 R49.2 R50.2
LI_SNS: D7.2 IC9.6 PL2.10 PL3.10 R72.1
LI_SNS_FILT: C59.1 IC4.16 IC12.6 IC12.7 PL4.10 PL5.10
LI_SNS_VOFF: IC4.23 IC9.5 PL2.9 PL3.9 PL4.9 PL5.9 R55.2 R56.2
N3V3: C15.1 C17.1 C57.1 C65.1 C74.1 C78.2 IC2.4 IC2.9 IC3.4 IC8.4 IC9.4 IC10.4 IC11.11 IC12.11 IC13.11 L3.2 PL1.12 PL2.4 PL3.4 PL4.4 PL5.4
  other v1: 9.15,14.45 10.25,14.45 11.35,14.45 9.15,15.55 10.25,15.55 11.35,15.55
NetC1_1: C1.1 IC1.5
NetC2_1: C2.1 IC1.11 L2.1 R1.2
NetC3_1: C3.1 IC1.9
NetC3_2: C3.2 IC1.10
NetC6_2: C6.2 IC1.6 L3.1 R6.2
NetC8_2: C8.2 P7.1
NetC9_1: C9.1 IC2.2 R15.2 R17.1
NetC10_1: C10.1 C16.2 IC3.1 R9.1
NetC10_2: C10.2 R10.1
NetC11_1: C11.1 IC2.6 IC2.7 R12.2
NetC11_2: C11.2 IC2.3 R12.1 R18.2
NetC13_1: C13.1 R13.2 R14.1
NetC14_1: C14.1 IC3.3 R16.2
NetC16_1: C16.1 R14.2 R16.1
NetC21_1: C21.1 IC5.4
NetC23_1: C23.1 R27.2 X2.1
NetC24_2: C24.2 R26.2 X2.3
NetC25_1: C25.1 IC4.14
NetC26_1: C26.1 R70.2 R71.1
NetC26_2: C26.2 IC12.13 IC12.14 R73.1
NetC29_1: C29.1 IC4.73
NetC30_1: C30.1 IC4.48
NetC40_1: C40.1 C42.1 IC8.2 R46.2
NetC40_2: C40.2 C41.1 IC8.3 R47.2
NetC43_1: C43.1 C44.2 IC9.3 R53.2
NetC44_1: C44.1 C45.1 IC9.2 R52.2
NetC46_1: C46.1 C47.2 IC10.3 R58.2
NetC47_1: C47.1 C48.1 IC10.2 R59.2
NetC50_1: C50.1 R63.1 R66.2
NetC50_2: C50.2 IC11.13 IC11.14 R64.1
NetC51_1: C51.1 IC11.12 R63.2
NetC52_1: C52.1 IC11.10 R65.2
NetC53_2: C53.2 R68.2 R69.1
NetC54_1: C54.1 IC11.5 R69.2
NetC55_1: C55.1 R64.2 R65.1
NetC55_2: C55.2 IC11.8 IC11.9 R68.1
NetC56_1: C56.1 IC11.3 R67.2
NetC58_1: C58.1 R73.2 R74.1
NetC58_2: C58.2 IC12.8 IC12.9 R75.1
NetC59_2: C59.2 R75.2 R76.1
NetC61_1: C61.1 IC12.12 R71.2
NetC62_1: C62.1 IC12.10 R74.2
NetC63_1: C63.1 IC12.3 R72.2
NetC64_1: C64.1 IC12.5 R76.2
NetC66_1: C66.1 R77.2 R78.1
NetC66_2: C66.2 IC13.13 IC13.14 R80.1
NetC67_1: C67.1 R80.2 R81.1
NetC67_2: C67.2 IC13.8 IC13.9 R82.1
NetC69_2: C69.2 R82.2 R83.1
NetC70_1: C70.1 IC13.12 R78.2
NetC71_1: C71.1 IC13.10 R81.2
NetC72_1: C72.1 IC13.3 R79.2
NetC73_1: C73.1 IC13.5 R83.2
NetC75_1: C75.1 IC7.5 R39.2
NetC76_1: C76.1 IC7.6 R38.2
NetD9_2: D9.2 P9.1 R46.1
NetD10_2: D10.2 P10.1 R47.1
NetD11_2: D11.2 P12.1 R53.1
NetD12_2: D12.2 P11.1 R52.1
NetIC1_1: IC1.1 R2.2 R92.2
NetIC1_2: IC1.2 R1.1 R3.1
NetIC1_7: IC1.7 R4.1 R6.1
NetIC3_2: IC3.2 R9.2
NetIC3_6: IC3.6 R7.1 R10.2
NetIC4_41: IC4.41 R84.2 R88.1
NetIC4_42: IC4.42 R85.2 R89.1
NetIC4_43: IC4.43 R86.2 R90.1
NetIC4_44: IC4.44 R87.2 R91.1
NetIC4_94: IC4.94 R28.1 R29.2
NetIC5_1: IC5.1 R23.2
NetIC5_11: IC5.11 R24.2
NetIC6_1: IC6.1 R32.2
NetIC6_4: IC6.4 R33.2
NetIC7_1: IC7.1 R35.2 R41.1
NetIC7_2: IC7.2 R36.2 R42.1
NetIC7_3: IC7.3 R37.2 R43.1
NetIC7_7: IC7.7 R34.2 R40.1
NetIC8_1: IC8.1 R48.1
NetIC8_8: IC8.8 R45.1
NetIC9_1: IC9.1 R54.1
NetIC9_8: IC9.8 R51.1
NetIC10_1: IC10.1 R60.1
NetIC10_8: IC10.8 R57.1
NetIC11_1: IC11.1 IC11.2 R66.1
NetIC12_1: IC12.1 IC12.2 R70.1
NetIC13_1: IC13.1 IC13.2 R77.1
NetR7_2: R7.2 R8.1
NetR25_1: R25.1 X1.2
NetR45_2: R45.2 R48.2
NetR51_2: R51.2 R54.2
NetR57_2: R57.2 R60.2
P3V3: C7.1 C12.1 C18.1 C19.1 C22.1 C27.1 C38.1 C39.1 C49.1 C60.1 C68.1 C77.1 IC2.8 IC3.8 IC4.20 IC4.21 IC5.5 IC6.9 IC8.7 IC9.7 IC10.7 IC11.4 IC12.4 IC13.4 L1.1 L2.2 PL1.2 PL2.3 PL3.3 PL4.3 PL5.3 R50.1 R56.1 R62.1
PH0: IC4.12 R25.2 R26.1
PH1: IC4.13 R27.1
SB_CS: D3.2 IC4.3 P5.1
SB_MISO: D4.2 IC4.4 P4.1
SB_MOSI: D2.2 IC4.5 P6.1
SB_SCLK: D5.2 IC4.1 P1.1
UART7_CTS: IC4.40 PL1.10
UART7_RTS: IC4.39 PL1.8
UART7_RX: IC4.37 PL1.4
UART7_TX: IC4.38 PL1.6
VDD: C20.1 C28.1 C31.1 C32.1 C33.1 C34.1 C35.1 C36.1 C37.1 IC4.6 IC4.11 IC4.27 IC4.50 IC4.75 IC4.100 IC5.6 IC6.10 IC7.8 L1.2 PL1.1 PL2.16 PL3.16 PL4.16 PL5.16 R19.2 R20.2 R21.2 R22.2 R28.2 R30.2 R31.2 R34.1 R35.1 R36.1 R37.1 R84.1 R85.1 R86.1 R87.1 X1.1
VIN: C4.1 C5.1 D1.2 IC1.3 IC1.8 IC1.12 P2.1 R2.1 R5.1
pads on no net: C57.2 C65.2 C74.2 IC4.2 IC4.7 IC4.8 IC4.9 IC4.18 IC4.25 IC4.29 IC4.30 IC4.31 IC4.32 IC4.33 IC4.34 IC4.35 IC4.36 IC4.45 IC4.51 IC4.52 IC4.53 IC4.54 IC4.55 IC4.56 IC4.57 IC4.58 IC4.59 IC4.60 IC4.61 IC4.62 IC4.63 IC4.64 IC4.65 IC4.71 IC4.78 IC4.79 IC4.80 IC4.81 IC4.82 IC4.83 IC4.84 IC4.85 IC4.86 IC4.87 IC4.88 IC4.97 IC4.98 IC5.9 IC6.3 IC6.5 PL2.1 PL2.2 PL2.20 PL3.1 PL3.2 PL3.20 PL4.1 PL4.2 PL4.20 PL5.1 PL5.2 PL5.20
copper on no net:
  other v1: 9.25,11

## Silkscreen, mask and mechanical layers (free items; w line width, h text height)
Bottom Overlay:
  lines w0.2: 17.506,0.006 17.506,30.006 ; 52.006,0.006 52.006,30.006
Board Outline:
  the board outline again, w0.2

## Dimensions
3.006,30.006 to 86.506,30.006 on Dimensions
86.506,30.006 to 86.506,0.006 on Dimensions
0.006,28.006 to 86.506,30.006 on Dimensions